# KiCad board C68.kicad_pcb (continued)
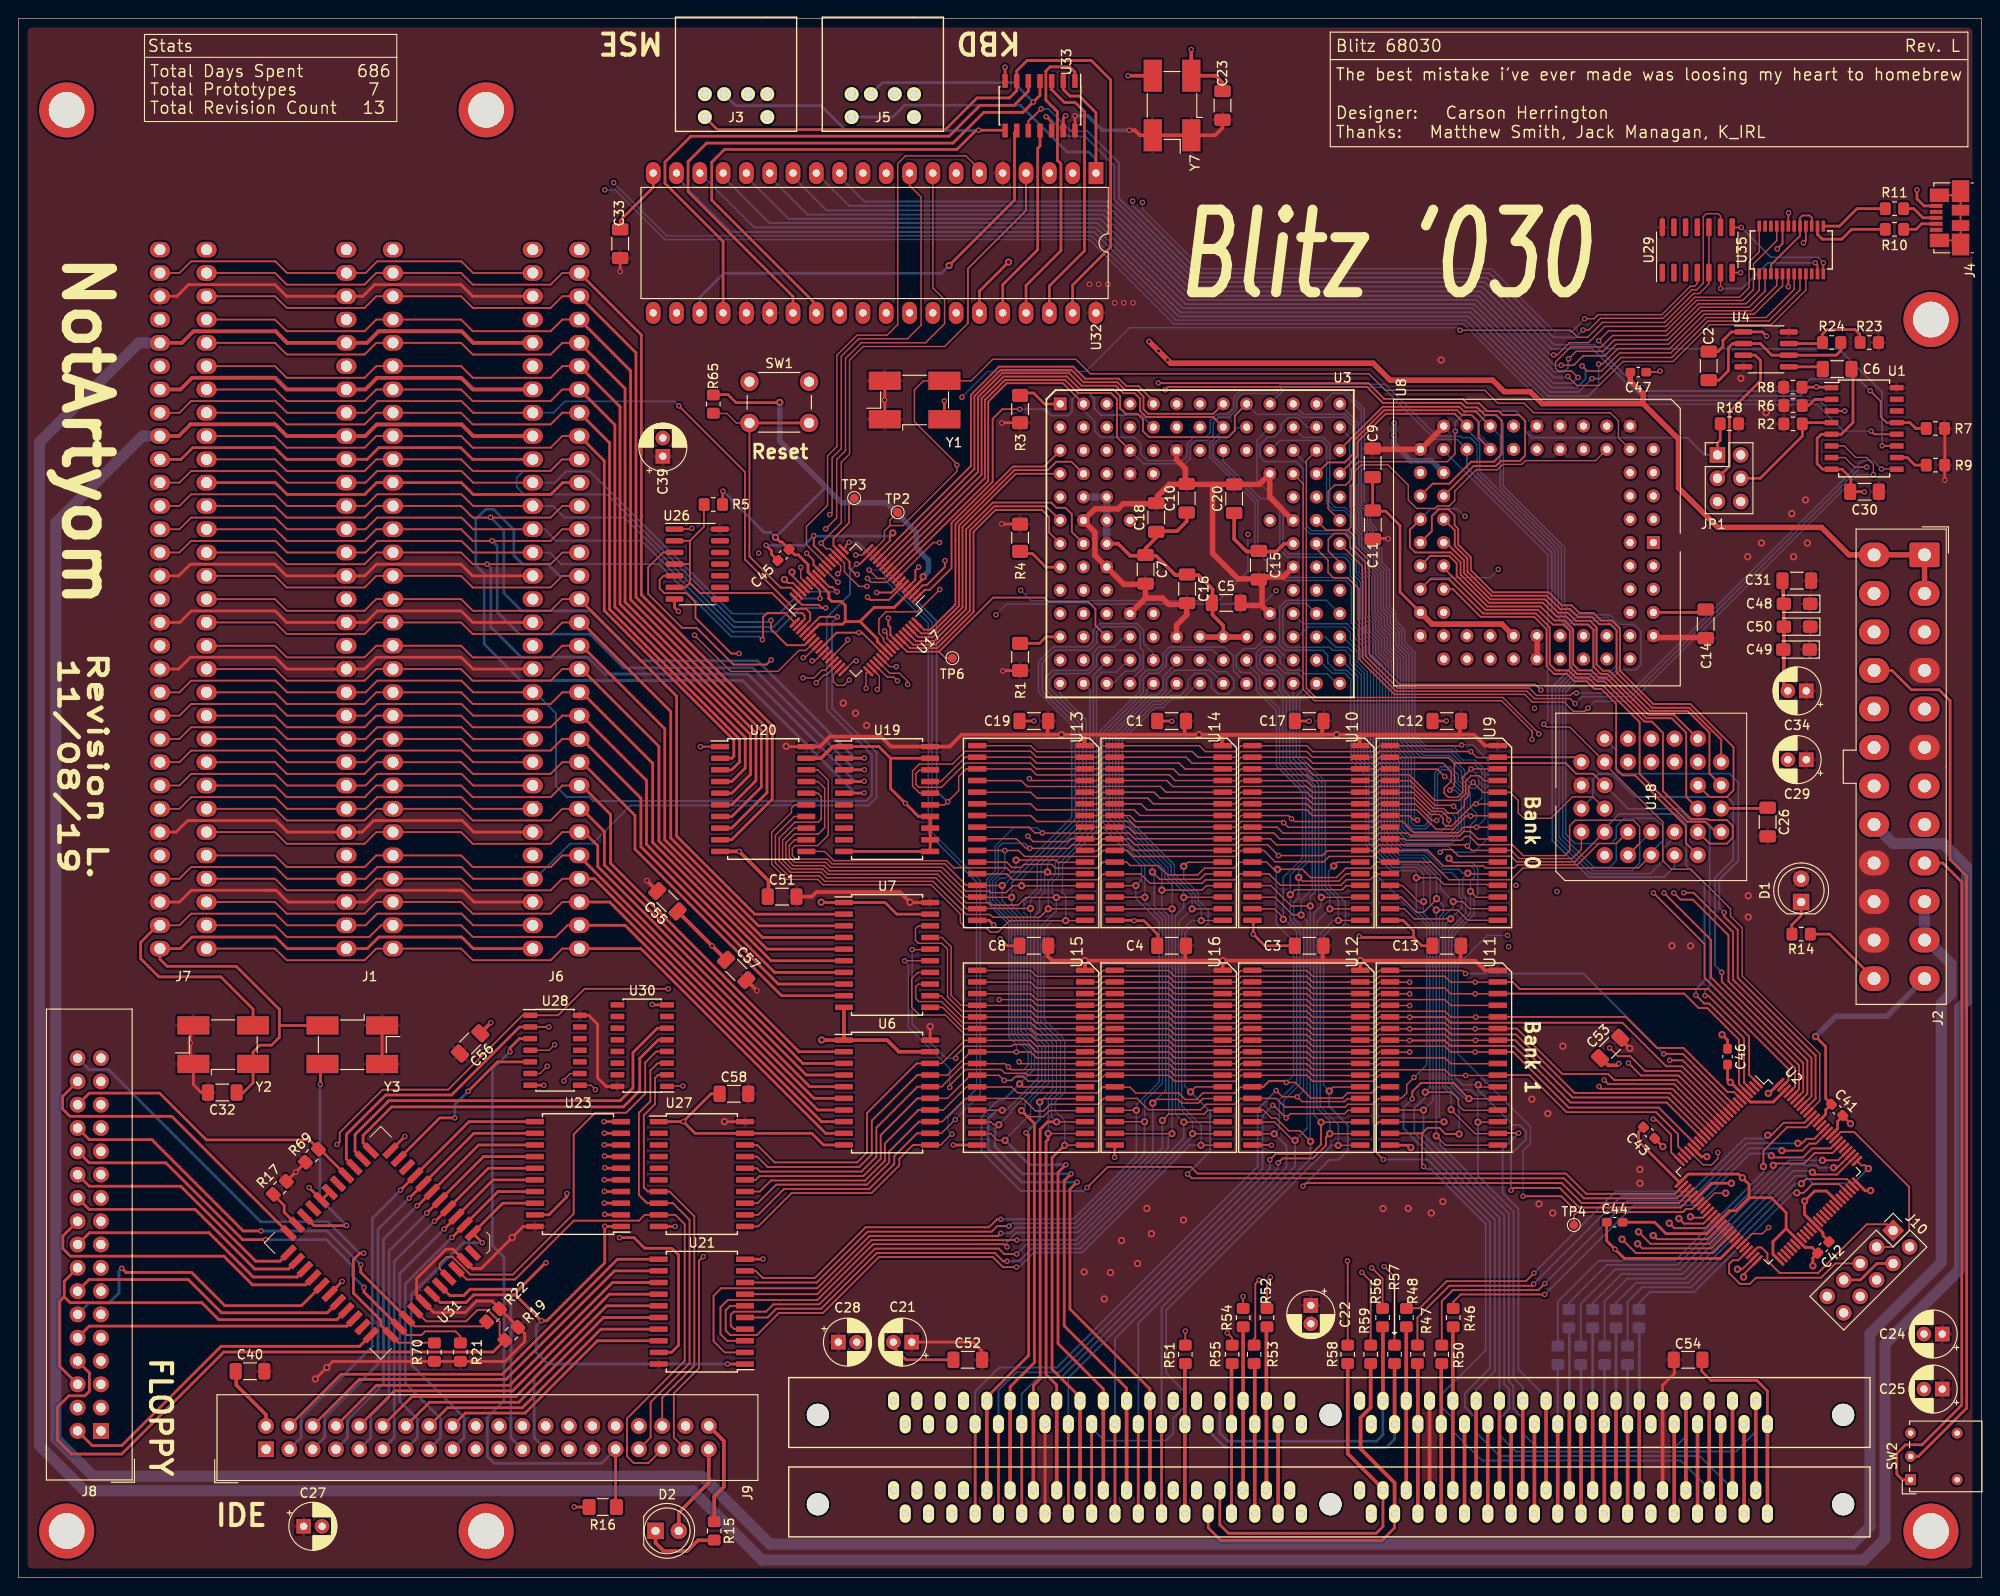
[diagram p0: board, top side]
## Routing (per net, layer and track width the routed paths; a pad name or vN(x,y) marks a point on that pad's centre or on a via; arc(x,y) is an arc through that point) (continued)
  Top w0.2: U2.23 180.91,47.01 180.91,48.34 178.5,50.75 168.75,50.75 164.72,54.78 U11.23
  In1.Cu w0.15: v2(157.94,79.76) 157.94,78.98 159.77,77.15 159.77,64.84 159.23,64.3 158.44,64.3 156.85,62.71 156.85,56.55 157.76,55.64 v2(157.76,54.75)
  Bottom w0.15: 158.25,81.83 158.25,82.03 158.94,82.72 158.94,83.31 158.25,84 158.25,85.63 156.96,86.92 156.96,87.51 156.08,88.39 155.04,88.39 154.38,87.73 154.38,83.9 153.65,83.17 153.65,82.34 153.27,81.96 152.23,81.96 151.82,82.37 151.82,89.52 150.3,91.04 150.3,100.15 149.22,101.23 149.22,102.59 148.27,103.54 148.27,104.34 147.54,105.07 147.54,109.1 146.76,109.88 146.76,111.35 146.11,112 146.11,113.6 145.47,114.24 145.47,115.84 144.63,116.68 143.53,116.68 142.94,117.27 142.94,123.6 142.23,124.31 140.04,124.31 138.94,125.41 ; 158.25,81.83 158.25,81.05 ; 158.25,81.83 158.25,80.07 v2(157.94,79.76) ; v2(101.53,53.45) 101.53,55.5 97,60.03 97,66.85 v2(96.6,67.25)
/A13: length 275.2
  Top w0.15: 131.09,57.31 132.65,57.31 133.28,57.94 140.44,57.94 141.07,57.31 146.09,57.31 ; 131.04,57.31 126.03,57.31 125.39,57.94 118.23,57.94 117.59,57.31 116.04,57.31 ; 116.27,57.31 110.96,57.31 110.14,58.12 108.45,58.12 108.27,57.94 103.22,57.94 102.18,56.9 v2(102.18,56.62) ; v2(158.94,81.81) 157.52,81.81 156.92,81.21 152.13,81.21 150.89,82.45 148.34,82.45 147.71,81.81 146.15,81.81 ; 116.04,81.81 117.59,81.81 118.23,82.45 121.13,82.45 121.75,81.82 U14.25 ; 158.87,81.81 161.15,81.81 ; 158.87,81.81 158.41,81.81 ; 158.87,81.81 157.78,81.81 ; 161.15,57.31 v2(158.78,57.31) 156.13,57.31 155.5,57.94 148.34,57.94 147.71,57.31 146.15,57.31 ; 146.09,81.81 138.41,81.81 v2(137.93,82.3) 137.78,82.45 133.28,82.45 132.65,81.81 131.09,81.81 ; v2(97.43,68.47) 99.34,68.47 U7.16
  Top w0.2: U2.20 178.8,51.25 169,51.25 162.93,57.32 U11.25
  In1.Cu w0.15: 158.93,81.8 158.93,80.04 160.12,78.85 160.12,64.68 159.59,64.15 159.59,58.12 v2(158.78,57.31)
  In2.Cu w0.15: v2(158.94,81.81) 154.32,81.81 153.98,82.15 153.98,82.92 155.81,84.75 156.6,84.75 157.63,85.78 163.68,85.78 170.7,92.8 175.95,92.8 176.72,92.03 176.72,90.2 U18.28
  Bottom w0.15: 141.48,127.95 142.06,127.95 143.24,129.13 144.5,129.13 146.38,127.25 146.38,117.18 147.05,116.51 147.05,114.89 147.67,114.27 147.67,112.67 148.32,112.02 148.32,110.56 149.12,109.76 149.12,105.75 149.84,105.03 149.84,104.18 150.8,103.22 150.8,101.87 151.92,100.75 151.92,91.75 153.34,90.33 156.25,90.33 157.44,89.14 158.78,89.14 159.85,88.07 159.85,82.72 v2(158.94,81.81) ; v2(102.18,56.62) 101.12,56.62 97.43,60.32 v2(97.43,68.47)
/A14: length 285.8
  Top w0.15: 134.95,86.89 140.46,86.89 141.1,86.25 147.7,86.25 148.34,86.89 149.95,86.89 ; U14.4 125.18,86.91 125.83,86.25 132.64,86.25 133.28,86.89 134.89,86.89 ; 104.84,86.89 109.31,86.89 109.96,86.25 117.59,86.25 118.24,86.89 119.84,86.89 ; U7.17 100.66,69.79 101.67,68.79 101.67,63.49 102.78,62.38 110.35,62.38 111,61.74 117.59,61.74 118.24,62.38 119.84,62.38 ; v2(156.45,84.1) 156.35,84.2 154.4,84.2 151.72,86.88 149.79,86.88 ; 149.8,62.38 v2(151.66,62.38) ; 119.89,62.38 125.4,62.38 126.04,61.74 132.64,61.74 133.28,62.38 134.89,62.38 ; 134.95,62.38 140.46,62.38 141.1,61.74 147.7,61.74 148.34,62.38 149.95,62.38
  Top w0.2: U2.92 195.9,52.23 195.9,56.9 187.41,65.39 187.41,70.61 185.93,72.1 v2(185.93,72.52)
  In1.Cu w0.15: v2(151.66,62.38) 152.35,63.07 152.35,65.18 151.73,65.8 151.73,67.6 150.28,69.05 150.28,82.24 152,83.96 156.33,83.96 156.44,84.07
  In2.Cu w0.15: U18.29 169.81,91.47 163.81,85.47 157.82,85.47 v2(156.45,84.1)
  Bottom w0.15: 136.4,125.41 135.01,124.02 135.01,119.62 137.85,116.78 137.85,112.24 138.49,111.6 144.7,111.6 145.49,110.81 145.49,109.34 146.28,108.55 146.28,104.53 146.99,103.82 146.99,103.01 147.95,102.05 147.95,100.68 149.02,99.61 149.02,90.48 150.51,88.99 150.51,81.69 151.51,80.69 155.98,80.69 156.97,81.68 156.97,83.58 v2(156.45,84.1)
  Bottom w0.2: U18.29 174.18,90.2 174.18,87.92 174.45,87.65 186.52,87.65 187.48,86.7 187.48,78.15 185.4,76.07 185.4,73.05 v2(185.93,72.52)
/A15: length 263.8
  Top w0.15: U18.3 171.64,85.12 169.39,85.12 167.06,82.79 164.09,82.79 163.49,83.39 163.49,84.74 162.59,85.64 161.35,85.64 ; 161.15,61.12 v2(158.85,61.12) 156.13,61.12 155.5,61.75 148.34,61.75 147.71,61.12 146.15,61.12 ; 160.99,85.61 159.68,85.61 v2(158.57,86.71) 158.08,86.22 158.08,85.25 157.62,84.79 157.62,84.14 156.82,83.34 155.85,83.34 155.33,83.86 154.26,83.86 151.86,86.26 148.34,86.26 147.71,85.62 146.15,85.62 ; U7.18 98.09,71.06 97.79,70.76 97.79,69.47 98.1,69.16 100.64,69.16 101.28,68.52 101.28,63.34 102.86,61.76 110.35,61.76 111,61.12 116.27,61.12 ; 146.09,85.62 141.07,85.62 140.44,86.26 133.28,86.26 132.65,85.62 131.09,85.62 ; 131.27,85.64 125.09,85.64 124.47,86.26 118.23,86.26 117.59,85.62 116.04,85.62 ; 116.04,61.12 117.59,61.12 118.23,61.75 125.39,61.75 126.03,61.12 131.04,61.12 ; 146.09,61.12 141.07,61.12 140.44,61.75 133.28,61.75 132.65,61.12 131.09,61.12
  Top w0.2: U11.28 175.21,61.13 178.6,57.75 181.5,57.75 186.3,52.95 187,52.95 U2.6
  In1.Cu w0.15: v2(158.85,61.12) 157.47,59.74 157.47,56.82 158.24,56.05 159.46,56.05 160.57,57.16 160.57,63.77 161.08,64.28 161.08,79.26 160.25,80.09 160.25,82.52 159.56,83.21 159.56,84.72 158.57,85.71 v2(158.57,86.71)
  Bottom w0.15: v2(158.57,86.71) 158.14,86.71 157.63,87.22 157.63,88.04 156,89.67 153.11,89.67 151.25,91.53 151.25,100.54 150.17,101.62 150.17,102.98 149.22,103.93 149.22,104.78 148.49,105.51 148.49,109.5 147.7,110.29 147.7,111.77 147.05,112.42 147.05,114.01 146.41,114.65 146.41,116.27 145.76,116.92 145.76,125.7 144.63,126.83 140.06,126.83 138.94,127.95
/A16: length 333.8
  Top w0.15: 149.79,88.14 154.66,88.14 v2(155.47,87.34) ; 134.95,63.66 140.46,63.66 141.1,63.01 147.7,63.01 148.34,63.66 149.95,63.66 ; 119.84,63.66 118.24,63.66 117.59,63.01 110.99,63.01 110.34,63.66 104.51,63.66 ; 104.84,88.17 110.34,88.17 110.99,87.52 117.59,87.52 118.24,88.17 119.84,88.17 ; 134.89,88.17 133.28,88.17 132.64,87.52 126.54,87.52 125.9,88.17 119.89,88.17 ; U19.15 100.96,84.25 v2(101.29,84.59) 102.49,85.79 102.49,87.34 103.33,88.18 104.51,88.18 ; 134.89,63.66 133.28,63.66 132.64,63.01 126.04,63.01 125.4,63.66 119.89,63.66 ; 149.8,63.65 v2(151.66,63.65) ; 134.95,88.17 140.46,88.17 141.1,87.52 147.7,87.52 148.34,88.17 149.95,88.17
  Top w0.2: v2(185.68,66) 185.68,64.97 194.55,56.1 194.55,53 U2.95 ; U17.17 90.2,112.4 90.2,112.53 v2(90.55,112.88)
  In1.Cu w0.15: v2(151.66,63.65) 151.02,64.28 151.02,67.34 149.66,68.7 149.66,82.52 151.73,84.59 154.33,84.59 155.07,85.33 155.07,86.94 v2(155.47,87.34)
  In2.Cu w0.15: 155.46,87.34 155.46,86.96 154.68,86.18 154.68,85.4 152.49,83.21 152.22,83.21 151.96,82.95 151.96,81.96 154.22,79.7 155.88,79.7 157.08,78.5 160.69,78.5 166.91,84.72 169.5,84.72 U18.2
  Bottom w0.15: 133.85,125.38 132.89,125.38 131.65,124.14 130.84,124.14 130.21,123.51 130.21,122.3 135.11,117.4 135.11,112.25 138.31,109.05 144.78,109.05 145.62,108.21 145.62,104.23 146.36,103.49 146.36,102.73 147.32,101.77 147.32,100.41 148.38,99.35 148.38,90.19 149.87,88.7 149.87,81.4 151.2,80.07 156.25,80.07 157.6,81.42 157.6,85.33 155.59,87.34 v2(155.47,87.34)
  Bottom w0.2: v2(90.55,112.88) 91.5,112.88 100.09,104.29 100.09,85.79 v2(101.29,84.59) ; v2(185.68,66) 184.93,66.75 184.93,76.3 186.93,78.3 186.93,84.45 186.27,85.1 176.23,85.1 173.7,87.62 172.23,87.62 171.65,87.05 171.65,85.13 U18.2
/A17: length 247.3
  Top w0.15: U19.16 98.25,85.53 97.47,86.31 97.47,87.96 98.21,88.7 101.81,88.7 103.2,90.09 110.33,90.09 110.97,89.45 116.27,89.45 ; 116.04,64.93 117.59,64.93 118.23,65.56 125.39,65.56 126.03,64.93 131.04,64.93 ; 146.15,89.44 147.71,89.44 148.34,90.07 v2(158.32,90.07) 158.97,89.42 160.99,89.42 ; 131.09,89.44 132.65,89.44 133.28,90.07 140.44,90.07 141.07,89.44 146.09,89.44 ; 161.15,64.93 v2(158.79,64.93) 156.13,64.93 155.5,65.56 148.34,65.56 147.71,64.93 146.15,64.93 ; 146.09,64.93 141.07,64.93 140.44,65.56 133.28,65.56 132.65,64.93 131.09,64.93 ; 116.04,89.44 117.59,89.44 118.23,90.07 127.96,90.07 128.59,89.44 131.04,89.44
  Top w0.2: U18.30 169.86,89.44 161.35,89.44 ; U2.99 192.95,54.23 192.95,55.45 184.23,64.18 163.65,64.18 162.88,64.94 U11.31
  In1.Cu w0.15: v2(158.79,64.93) 159.46,65.59 159.46,76.96 157.04,79.38 157.04,82.29 157.65,82.9 157.65,89.4 v2(158.32,90.07)
  Bottom w0.15: 136.4,127.95 137.92,129.47 144.63,129.47 146.7,127.4 146.7,117.36 147.36,116.7 147.36,115.03 147.98,114.41 147.98,112.81 148.63,112.16 148.63,110.69 149.43,109.89 149.43,105.88 150.15,105.16 150.15,104.31 151.11,103.35 151.11,102.02 152.24,100.89 152.24,91.87 153.46,90.65 156.38,90.65 156.96,90.07 v2(158.32,90.07)
/A18: length 265.2
  Top w0.15: U19.17 100.56,86.8 103.21,89.45 104.51,89.45 ; 134.95,89.44 140.46,89.44 141.1,88.79 147.7,88.79 148.34,89.44 149.95,89.44 ; v2(156.04,85.85) 156.53,86.34 156.53,88.81 155.93,89.42 149.79,89.42 ; 134.95,64.93 140.46,64.93 141.1,64.28 147.7,64.28 148.34,64.93 149.95,64.93 ; 119.89,89.44 127.29,89.44 127.94,88.79 132.64,88.79 133.28,89.44 134.89,89.44 ; 119.84,64.93 118.24,64.93 117.59,64.28 110.99,64.28 110.34,64.93 104.84,64.93 ; 104.84,89.44 110.34,89.44 110.99,88.79 117.59,88.79 118.24,89.44 119.84,89.44 ; 119.89,64.93 125.4,64.93 126.04,64.28 132.64,64.28 133.28,64.93 134.89,64.93 ; 149.8,64.91 v2(151.66,64.91)
  Top w0.2: 156.53,88.81 156.54,88.8 168.66,88.8 169.81,87.65 171.65,87.65 U18.1 ; U2.1 188.65,54.84 188.65,59 184.2,63.45 v2(183.85,63.45)
  In1.Cu w0.15: 151.63,64.91 151.37,65.17 151.37,67.48 149.97,68.88 149.97,82.39 151.85,84.27 154.46,84.27 v2(156.04,85.85)
  Bottom w0.15: 131.32,122.87 131.32,121.71 135.39,117.64 136.55,117.64 137.51,116.68 137.51,112.08 138.33,111.26 144.56,111.26 145.18,110.64 145.18,109.17 145.95,108.4 145.95,104.4 146.67,103.68 146.67,102.88 147.64,101.91 147.64,100.54 148.7,99.48 148.7,90.31 150.19,88.82 150.19,81.54 151.35,80.38 156.12,80.38 157.28,81.54 157.28,85.19 156.62,85.85 v2(156.04,85.85)
  Bottom w0.2: v2(183.85,63.45) 183.85,64 184.35,64.5 184.35,81.9 183.65,82.6 182.18,82.6 180.95,83.83 175.48,83.83 U18.1
/A19: length 323.1
  Top w0.15: 146.15,88.17 147.71,88.17 148.34,88.8 155.28,88.8 156.18,87.9 156.18,86.84 155.42,86.08 155.42,85.53 155.87,85.08 156.89,85.08 157.44,85.63 157.44,87.27 v2(158.34,88.17) 161.15,88.17 ; U19.18 98.25,88.06 97.83,87.65 97.83,86.49 98.16,86.16 100.62,86.16 103.27,88.81 110.31,88.81 110.94,88.18 116.27,88.18 ; 131.04,88.17 127.18,88.17 126.54,88.8 118.23,88.8 117.59,88.17 116.04,88.17 ; 146.09,88.17 141.07,88.17 140.44,88.8 133.28,88.8 132.65,88.17 131.09,88.17 ; 161.15,63.66 v2(158.79,63.66) 156.13,63.66 155.5,64.29 148.34,64.29 147.71,63.66 146.15,63.66 ; 131.09,63.66 132.65,63.66 133.28,64.29 140.44,64.29 141.07,63.66 146.09,63.66 ; 161.29,63.68 161.27,63.66 ; 116.04,63.66 117.59,63.66 118.23,64.29 125.39,64.29 126.03,63.66 131.04,63.66
  Top w0.2: U3.A9 132.59,126.68 132.59,125.04 131.89,124.34 123.23,124.34 122.58,124.99 122.58,126.29 121.98,126.89 120.69,126.89 120.1,127.48 120.1,128.82 119.37,129.55 115.7,129.55 114.3,130.95 107.39,130.95 104.99,128.55 104.99,120.24 U17.10 ; U2.4 187.55,53.81 187.55,58.65 184.1,62.1 183.15,62.1 181.57,63.68 U11.30
  In1.Cu w0.15: v2(158.79,63.66) 157.16,62.03 157.16,56.69 158.11,55.74 159.59,55.74 160.88,57.03 160.88,63.63 161.39,64.14 161.39,79.38 160.56,80.21 160.56,82.65 159.87,83.34 159.87,84.85 159.28,85.44 159.28,87.22 v2(158.34,88.17)
  Bottom w0.15: v2(158.34,88.17) 159.21,87.3 159.21,86.46 158.82,86.07 158.27,86.07 157.3,87.04 157.3,87.93 155.88,89.35 152.97,89.35 150.94,91.38 150.94,100.4 149.86,101.48 149.86,102.84 148.9,103.8 148.9,104.63 148.17,105.36 148.17,109.37 147.39,110.15 147.39,111.64 146.74,112.29 146.74,113.87 146.1,114.51 146.1,116.13 145.44,116.79 145.44,125.57 144.51,126.5 139.91,126.5 139.59,126.82 134.99,126.82 133.86,127.95
/A20: length 305.8
  Top w0.15: 149.95,90.7 148.34,90.7 147.7,90.06 141.1,90.06 140.46,90.7 134.95,90.7 ; v2(157.32,90.79) 157.22,90.69 149.79,90.69 ; 149.95,66.19 148.34,66.19 147.7,65.55 141.1,65.55 140.46,66.19 134.95,66.19 ; 119.89,66.19 125.4,66.19 126.04,65.55 132.64,65.55 133.28,66.19 134.89,66.19 ; 119.84,66.19 118.24,66.19 117.59,65.55 110.99,65.55 110.34,66.19 104.84,66.19 ; 119.84,90.7 118.24,90.7 117.59,90.06 110.99,90.06 110.34,90.7 104.84,90.7 ; 149.8,66.19 157.41,66.19 v2(157.74,65.86) ; 119.89,90.7 128.75,90.7 129.39,90.06 132.64,90.06 133.28,90.7 134.89,90.7
  Top w0.2: 130.46,126.31 130.24,126.53 122.95,126.53 122.27,127.21 122.27,128.54 121.68,129.13 120.44,129.13 119.62,129.95 115.89,129.95 114.53,131.31 107.22,131.31 104.61,128.7 104.61,120.57 U17.11 ; 130.46,126.31 130.33,126.44 ; 130.46,126.31 U3.B8 ; v2(179.35,57.1) 181.44,57.1 U2.8
  In1.Cu w0.15: v2(157.32,90.79) 157.32,83.02 156.73,82.43 156.73,79.24 159.15,76.82 159.15,67.27 v2(157.74,65.86)
  Bottom w0.15: U3.B8 131.34,125.15 129.88,123.69 129.88,122.15 134.78,117.25 134.78,112.08 138.14,108.72 144.64,108.72 145.29,108.07 145.29,104.07 146.01,103.35 146.01,102.62 146.98,101.65 146.98,100.28 148.05,99.21 148.05,90.07 149.55,88.57 149.55,81.26 151.06,79.75 154.64,79.75 ; v2(157.32,90.79) 158.53,90.79 160.19,89.13 160.19,80.61 158.68,79.1 156.49,79.1 155.84,79.75 154.64,79.75 ; 154.64,79.75 154.73,79.75
  Bottom w0.2: v2(157.74,65.86) 170.59,65.86 v2(179.35,57.1)
/A21: length 180.6
  Top w0.2: U3.A8 130.26,126.89 123.14,126.89 122.64,127.39 122.64,128.75 121.88,129.51 120.62,129.51 119.8,130.33 116.11,130.33 114.77,131.67 107.07,131.67 104.21,128.81 104.21,120.88 U17.12 ; U2.9 181.43,56.4 v2(180,56.4)
  In1.Cu w0.15: v2(180,56.4) 178.25,56.4 175.35,59.3 172.68,59.3 165.5,66.47 165.5,84.62 163.28,86.85 163.28,92.62 159.85,96.05 151.03,96.05 144.62,89.65 136.78,89.65 130.22,96.2 130.22,126.86 U3.A8
/A22: length 126.1
  Top w0.2: v2(173.45,57.75) 174.35,56.85 175.7,56.85 177.3,55.25 181.16,55.25 U2.11
  In1.Cu w0.15: v2(173.45,57.75) 172.8,58.4 172.43,58.4 164.75,66.07 164.75,84.17 162.53,86.4 162.53,92.38 159.57,95.33 151.4,95.33 144.93,88.85 135.68,88.85 127.68,96.85 127.68,124.31 U3.B7
/A23: length 127.1
  Top w0.2: v2(175.5,56.1) 176.85,54.75 180.96,54.75 U2.12
  In1.Cu w0.15: U3.A7 128.8,126.98 129.85,125.93 129.85,96 136.6,89.25 144.8,89.25 151.22,95.67 159.78,95.67 162.93,92.53 162.93,86.67 165.15,84.45 165.15,66.28 172.52,58.9 173.35,58.9 174.25,58 174.25,57.35 v2(175.5,56.1)
/A24: length 130.4
  Top w0.2: U2.14 180.49,53.8 173.3,53.8 v2(172.85,54.25)
  In1.Cu w0.15: v2(172.85,54.25) 172.12,54.97 172.12,58.18 164.35,65.95 164.35,84.03 162.15,86.22 162.15,92.22 159.4,94.97 151.57,94.97 145.05,88.45 135.5,88.45 127.32,96.62 127.32,125.92 126.26,126.98 U3.A6
/A25: length 130.1
  Top w0.2: v2(172.3,53.55) 172.55,53.3 180.29,53.3 U2.15
  In1.Cu w0.15: U3.B6 125.2,124.37 125.2,96.8 126.38,95.62 127.72,95.62 135.25,88.1 145.22,88.1 151.75,94.62 159.22,94.62 161.75,92.1 161.75,86.03 163.95,83.83 163.95,65.82 171.62,58.15 171.62,54.22 v2(172.3,53.55)
/A26: length 45.2
  Top w0.2: U17.13 103.83,121.2 103.83,128.96 106.9,132.03 114.97,132.03 116.28,130.72 119.96,130.72 120.78,129.9 122.12,129.9 123.72,128.3 123.72,127.89
/A27: length 45.4
  Top w0.2: U17.1 98.81,107.7 99.35,107.7 101.72,110.07 101.72,115 106.2,119.48 106.2,126.33 107.26,127.39 v2(109.16,127.39)
  Bottom w0.2: U3.B5 122.41,126.74 118,126.74 117.28,127.46 117.28,128.54 116.67,129.15 115.57,129.15 114.86,128.44 114.86,127.12 114.44,126.7 112.54,126.7 111.85,127.39 v2(109.16,127.39)
/CAS0: length 18.1
  Top w0.4: 136.1,27.32 136.04,27.27 U5.40 136.04,9.27
/CAS1: length 16.6
  Top w0.4: 134.7,23.32 134.77,23.25 U5.41 134.77,6.73
/CAS2: length 18.1
  Top w0.4: 133.5,27.32 133.5,27.32 U5.42 133.5,9.27
/CAS3: length 16.7
  Top w0.3: 132.23,6.73 U5.43
  Top w0.4: U5.43 132.23,23.26 132.3,23.32 ; 132.15,6.65 132.23,6.73
/D0: length 215.7
  Top w0.15: 149.8,50.94 149.84,50.98 v1(153.16,50.98) ; v1(153.17,73.71) 152.6,73.71 150.84,75.47 149.55,75.47
  Top w0.4: U5.2 189.38,9.27
  In1.Cu w0.15: U3.K13 145.03,105.11 145.95,106.03 145.95,116.33 151.55,121.93 156.19,121.93 158.05,120.07 168.95,120.07 174.87,114.15 176.98,114.15 U8.3
  Bottom w0.15: 144.02,105.09 142.56,106.55 138.2,106.55 137.48,105.83 137.48,101.67 138.04,101.11 142.17,101.11 142.73,100.55 142.73,99.76 143.56,98.93 144.79,98.93 145.61,98.11 145.61,89.25 147.22,87.64 147.22,80.03 149.81,77.44 152.47,77.44 153.17,76.74 v1(153.17,73.71) 153.17,72.4 154.2,71.37 154.2,52.02 v1(153.16,50.98)
  Bottom w0.2: v1(153.16,50.98) 153.16,48.29 161.96,39.49 161.96,21.08 162.51,20.53 162.51,18.41 161.48,17.38 161.48,15.49 163.22,13.75 187.21,13.75 189.38,15.92 U5.2
/D1: length 222.8
  Top w0.15: 149.59,74.21 150.74,74.21 152.41,72.54 153.18,72.54 154.59,73.95 v1(154.59,74.03) ; 149.8,49.68 149.81,49.69 v1(155.4,49.69) ; 149.79,74.18 149.79,74.18
  Top w0.2: U11.14 148.31,49.71 147.91,49.31 147.91,46.45 v2(148.77,45.59)
  Top w0.4: U5.4 186.84,9.27
  In1.Cu w0.15: U8.2 168.81,119.72 157.89,119.72 156.03,121.58 151.69,121.58 146.31,116.2 146.31,105.33 144.85,103.87 142.74,103.87 U3.K12
  Bottom w0.15: v1(155.4,49.69) 154.89,50.2 154.89,72.02 155.33,72.46 155.33,73.29 v1(154.59,74.03) 154.59,76.37 152.83,78.13 150.17,78.13 147.89,80.41 147.89,87.88 146.36,89.41 146.36,98.43 145.18,99.61 145.18,100.54 144.61,101.11 143.28,101.11 142.94,101.45 138.33,101.45 137.82,101.96 137.82,105.64 138.39,106.21 140.36,106.21 141.48,105.09
  Bottom w0.2: 186.84,9.27 186.84,9.67 183.26,13.26 161.47,13.26 158.9,15.83 158.9,17.39 157.67,18.62 157.67,20.09 160.41,22.83 160.41,38.79 153.61,45.59 v2(148.77,45.59)
/D2: length 208.5
  Top w0.15: v1(156.12,71.82) 152.17,71.82 151.06,72.94 149.59,72.94 ; 149.79,72.91 149.79,72.91
  Top w0.2: 153,48.44 U11.15 ; 153,48.44 153.61,49.04 154.89,49.04 155.56,48.37 v1(157.04,48.37) ; 153,48.44 153,45 v2(153.17,44.83)
  Top w0.4: U5.6 184.3,9.27
  In1.Cu w0.15: 144.03,102.53 145.26,102.53 146.66,103.93 146.66,114.39 151.63,119.36 166.49,119.36 174.08,111.77 176.9,111.77 177.98,112.85 U8.1
  Bottom w0.15: 144.02,102.55 144.38,102.55 145.91,101.02 145.91,99.86 147.04,98.73 147.04,89.65 148.54,88.15 148.54,80.78 150.54,78.78 153.22,78.78 155.13,76.87 156.21,76.87 157.05,76.03 157.05,74.3 157.34,74.01 157.34,73.04 v1(156.12,71.82) 155.55,71.25 155.55,53.73 157.04,52.24 v1(157.04,48.37)
  Bottom w0.2: v2(153.17,44.83) 153.47,44.53 153.98,44.53 159.94,38.57 159.94,24.8 155.1,19.96 155.1,18.67 156.38,17.39 156.38,15.93 159.55,12.76 181.22,12.76 184.3,9.67 184.3,9.27
/D3: length 194.2
  Top w0.15: v1(154.55,48.16) 155.56,47.15 161.27,47.15 ; v1(154.55,72.79) 156.88,72.79 158,71.66 161.35,71.66
  Top w0.4: 181.76,9.27 U5.8
  In1.Cu w0.15: 144.06,100.02 144.26,100.02 147.73,103.49 147.73,112.62 151.58,116.47 165.44,116.47 175.26,106.65 176.44,106.65 176.96,107.17 176.96,109.03 U8.68
  Bottom w0.15: v1(154.55,48.16) v1(154.55,72.79) 153.88,73.46 153.88,76.55 153.29,77.14 153.29,77.15 152.64,77.8 149.96,77.8 147.55,80.21 147.55,87.77 145.98,89.34 145.98,98.28 144.27,99.99
  Bottom w0.2: v1(154.55,48.16) 154.95,47.76 154.95,47.22 162.46,39.71 162.46,21.4 162.96,20.9 162.96,18.42 163.96,17.42 163.96,15.76 165.49,14.23 180.6,14.23 181.76,15.39 U5.8
/D4: length 171
  Top w0.15: v1(156.4,73.71) 157.41,73.71 158.19,72.94 161.35,72.94 ; v1(156.17,51.02) 158.78,48.41 161,48.41
  Top w0.2: U11.18 161.31,48.47 v2(163.53,48.47)
  Top w0.4: 166.52,9.27 U5.20
  In1.Cu w0.15: U8.67 177.11,111.42 173.94,111.42 166.35,119.01 151.78,119.01 147.01,114.24 147.01,103.76 144.74,101.49 142.84,101.49 141.76,102.57 141.49,102.57
  Bottom w0.15: v1(156.17,51.02) 156.17,52.65 155.24,53.58 155.24,71.95 156.4,73.11 v1(156.4,73.71) 155.01,75.1 155.01,76.5 153.05,78.46 150.35,78.46 148.22,80.59 148.22,88.01 146.71,89.52 146.71,98.59 145.54,99.76 145.54,100.79 144.88,101.45 143.57,101.45 142.47,102.55 141.48,102.55
  Bottom w0.2: v2(163.53,48.47) 161.79,46.73 161.79,41.92 163.51,40.2 163.51,22.69 166.52,19.67 U5.20
/D5: length 175.4
  Top w0.15: 160.97,74.15 160.99,74.18 158.94,74.18 v1(158.28,74.83) ; 161,49.68 160.99,49.66 v1(159.09,49.66)
  Top w0.4: 163.98,9.27 U5.22
  In1.Cu w0.15: U8.66 174.67,107.77 165.62,116.82 151.43,116.82 147.36,112.75 147.36,103.62 144.88,101.14 142.5,101.14 142.33,101.31 140.89,101.31 140.25,101.95 140.25,103.82 U3.K11
  Bottom w0.15: 156.75,77.59 158.3,77.59 158.73,77.16 158.73,76.47 158.28,76.02 v1(158.28,74.83) 158.28,72.43 156.22,70.37 156.22,54.29 157.31,53.2 158.28,53.2 159.09,52.39 v1(159.09,49.66) ; 156.75,77.59 157.22,77.59 ; 156.75,77.59 155.41,77.59 153.59,79.41 150.92,79.41 149.22,81.11 149.22,88.44 147.7,89.96 147.7,99.08 146.63,100.15 146.63,101.5 145.63,102.5 145.63,103.19 144.81,104.01 140.02,104.01 138.94,105.09
  Bottom w0.2: v1(159.09,49.66) 159.09,43.81 162.98,39.92 162.98,21.78 163.98,20.78 U5.22
/D6: length 174.6
  Top w0.15: v1(153.35,52.93) 156.2,52.93 156.95,52.18 156.95,51.53 157.53,50.94 161,50.94 ; v1(152.37,76.31) 154.66,76.31 155.39,75.58 160.09,75.58 160.2,75.47 161.35,75.47
  Top w0.4: 161.44,9.27 U5.24
  In1.Cu w0.15: U3.M12 142.61,98.92 145.85,98.92 148.08,101.15 148.08,111.07 151.36,114.35 167.07,114.35 175.12,106.3 176.75,106.3 U8.65
  Bottom w0.15: 141.48,100.01 141.82,100.01 143.24,98.59 144.6,98.59 145.23,97.96 145.23,89.15 146.89,87.49 146.89,79.83 149.64,77.08 151.57,77.08 ; 151.77,77.08 151.57,77.08 ; 151.57,77.08 152.17,77.08 152.37,76.88 v1(152.37,76.31) 152.37,72.71 153.85,71.23 153.85,53.43 v1(153.35,52.93)
  Bottom w0.2: v1(153.35,52.93) 153.35,52.36 152.15,51.16 152.15,48.53 161.44,39.24 U5.24
/D7: length 185.8
  Top w0.15: v1(158.11,52.22) 161,52.22 161,52.22 ; 160.97,76.69 160.99,76.72 158.09,76.72 v1(158,76.81)
  Top w0.2: v1(158.11,52.22) 156.39,53.94 152.89,53.94 151.94,52.99 v2(151.94,52.21)
  Top w0.4: 158.9,9.27 U5.26
  In1.Cu w0.15: U3.L11 140.4,101.13 140.4,99.44 140.98,98.86 141.96,98.86 142.25,98.57 146.01,98.57 148.44,101 148.44,110.91 151.53,114 166.91,114 U8.64
  Bottom w0.15: v1(158.11,52.22) 157.69,52.22 155.91,54 155.91,70.58 157.77,72.44 157.77,74.05 157.43,74.39 157.43,76.24 v1(158,76.81) 157.43,76.81 157,77.24 155.28,77.24 153.41,79.11 150.73,79.11 148.89,80.95 148.89,88.28 147.37,89.8 147.37,98.9 146.26,100.01 146.26,101.2 145.19,102.27 145.19,103.07 144.62,103.64 140.57,103.64 139.48,102.55 138.94,102.55
  Bottom w0.2: v2(151.94,52.21) 150.99,51.26 150.99,48.97 160.93,39.03 160.93,22.5 158.9,20.47 U5.26
/D8: length 175.5
  Top w0.15: v1(140.82,73.23) 138.74,73.23 136.51,75.46 134.79,75.46 ; v1(140.85,47.56) 139.69,48.72 138.47,48.72 137.09,50.1 136.57,50.1 135.71,50.97 U12.13
  Top w0.3: 124.61,6.73 U5.49
  In1.Cu w0.15: U3.N13 145.42,97.49 148.79,100.86 148.79,101.57 148.79,109.02 151.55,111.78 166.59,111.78 U8.62
  Bottom w0.15: 143.78,97.45 142.68,98.55 140.18,98.55 139.81,98.92 138.38,98.92 137.53,99.77 137.53,100.43 136.85,101.11 135.84,101.11 135.29,100.56 135.29,99.56 135.95,98.9 137.17,98.9 137.83,98.24 137.83,96.81 138.59,96.05 138.59,89.11 141.37,86.33 141.37,74.82 140.82,74.27 v1(140.82,73.23) 140.82,48.38 ; 144.02,97.49 144.04,97.51 ; 140.82,48.38 140.83,48.37 ; 140.82,48.38 140.82,47.59 v1(140.85,47.56)
  Bottom w0.2: v1(140.85,47.56) 140.85,45.68 124.61,29.44 U5.49
/D9: length 178.1
  Top w0.15: v1(139.82,72.25) 139.81,72.26 138.9,72.26 136.97,74.19 134.79,74.19 ; 134.8,49.68 136.92,49.68 138.91,47.68 v1(139.16,47.68)
  Top w0.3: 122.07,6.73 U5.51
  In1.Cu w0.15: U8.60 174.37,98.84 172.63,98.84 171.84,99.63 171.84,100.9 172.07,101.13 172.07,103.36 166.53,108.9 151.78,108.9 149.88,107 149.88,100.43 144.99,95.54 141.17,95.54 140.08,96.63 140.08,98.38 139.66,98.8 139.66,99.33 U3.M11
  Bottom w0.15: v1(139.16,47.68) 140.46,48.98 140.46,71.61 v1(139.82,72.25) 139.82,73.86 141.02,75.06 141.02,86.16 138.22,88.96 138.22,95.87 137.49,96.6 137.49,98 136.93,98.56 135.67,98.56 134.95,99.28 134.95,100.84 135.56,101.45 137.07,101.45 138.54,99.98 138.93,99.98
  Bottom w0.2: U5.51 122.07,27.75 139.16,44.84 v1(139.16,47.68)
/D10: length 171.9
  Top w0.15: v1(137.88,71.78) 137.88,71.94 136.91,72.91 134.79,72.91 ; 134.8,48.41 134.81,48.39 v1(136.89,48.39)
  Top w0.3: 119.53,6.73 U5.53
  In1.Cu w0.15: U8.59 173.14,102.79 166.68,109.25 151.63,109.25 149.52,107.14 149.52,100.58 144.84,95.9 141.31,95.9 140.43,96.78 140.43,98.75 140.05,99.13 140.05,100.82 139.57,101.3 137.69,101.3 U3.L10
  Bottom w0.15: 138.01,71.79 139.35,70.45 139.35,54.02 137.44,52.11 137.44,48.94 v1(136.89,48.39) ; v1(137.88,71.78) 137.88,76.35 139.97,78.44 139.97,85.66 137.13,88.5 137.13,94.55 134.94,96.74 134.94,98 134.26,98.68 133.31,98.68 132.76,99.23 132.76,100.49 133.57,101.3 134.81,101.3 136.18,102.67
  Bottom w0.2: U5.53 119.53,26.05 138.23,44.75 138.23,47.05 v1(136.89,48.39)
/D11: length 171.8
  Top w0.15: v1(143.86,47.13) 146,47.13 146,47.13 ; 145.99,71.65 145.99,71.65 v1(143.88,71.65)
  Top w0.3: 116.99,6.73 U5.55
  In1.Cu w0.15: U8.58 174.36,101.37 174.36,103.48 166.42,111.42 151.69,111.42 149.16,108.89 149.16,100.73 144.69,96.26 142.73,96.26 U3.N12
  Bottom w0.15: v1(143.86,47.13) 143.88,47.15 143.88,49.39 141.9,51.37 141.9,70.24 143.31,71.65 v1(143.88,71.65) 143.88,73.89 142.44,75.33 142.44,86.81 139.65,89.6 139.65,95.64 141.48,97.47
  Bottom w0.2: U5.55 116.99,16.33 118.39,14.94 125.1,14.94 125.89,15.73 125.89,17.37 127.14,18.62 127.14,20.26 125.11,22.29 125.11,29.16 143.08,47.13 143.88,47.13
